# Altium PCB Copy of GameBoard_V1I1_083018.PcbDoc (part 3 of 21) (continued)
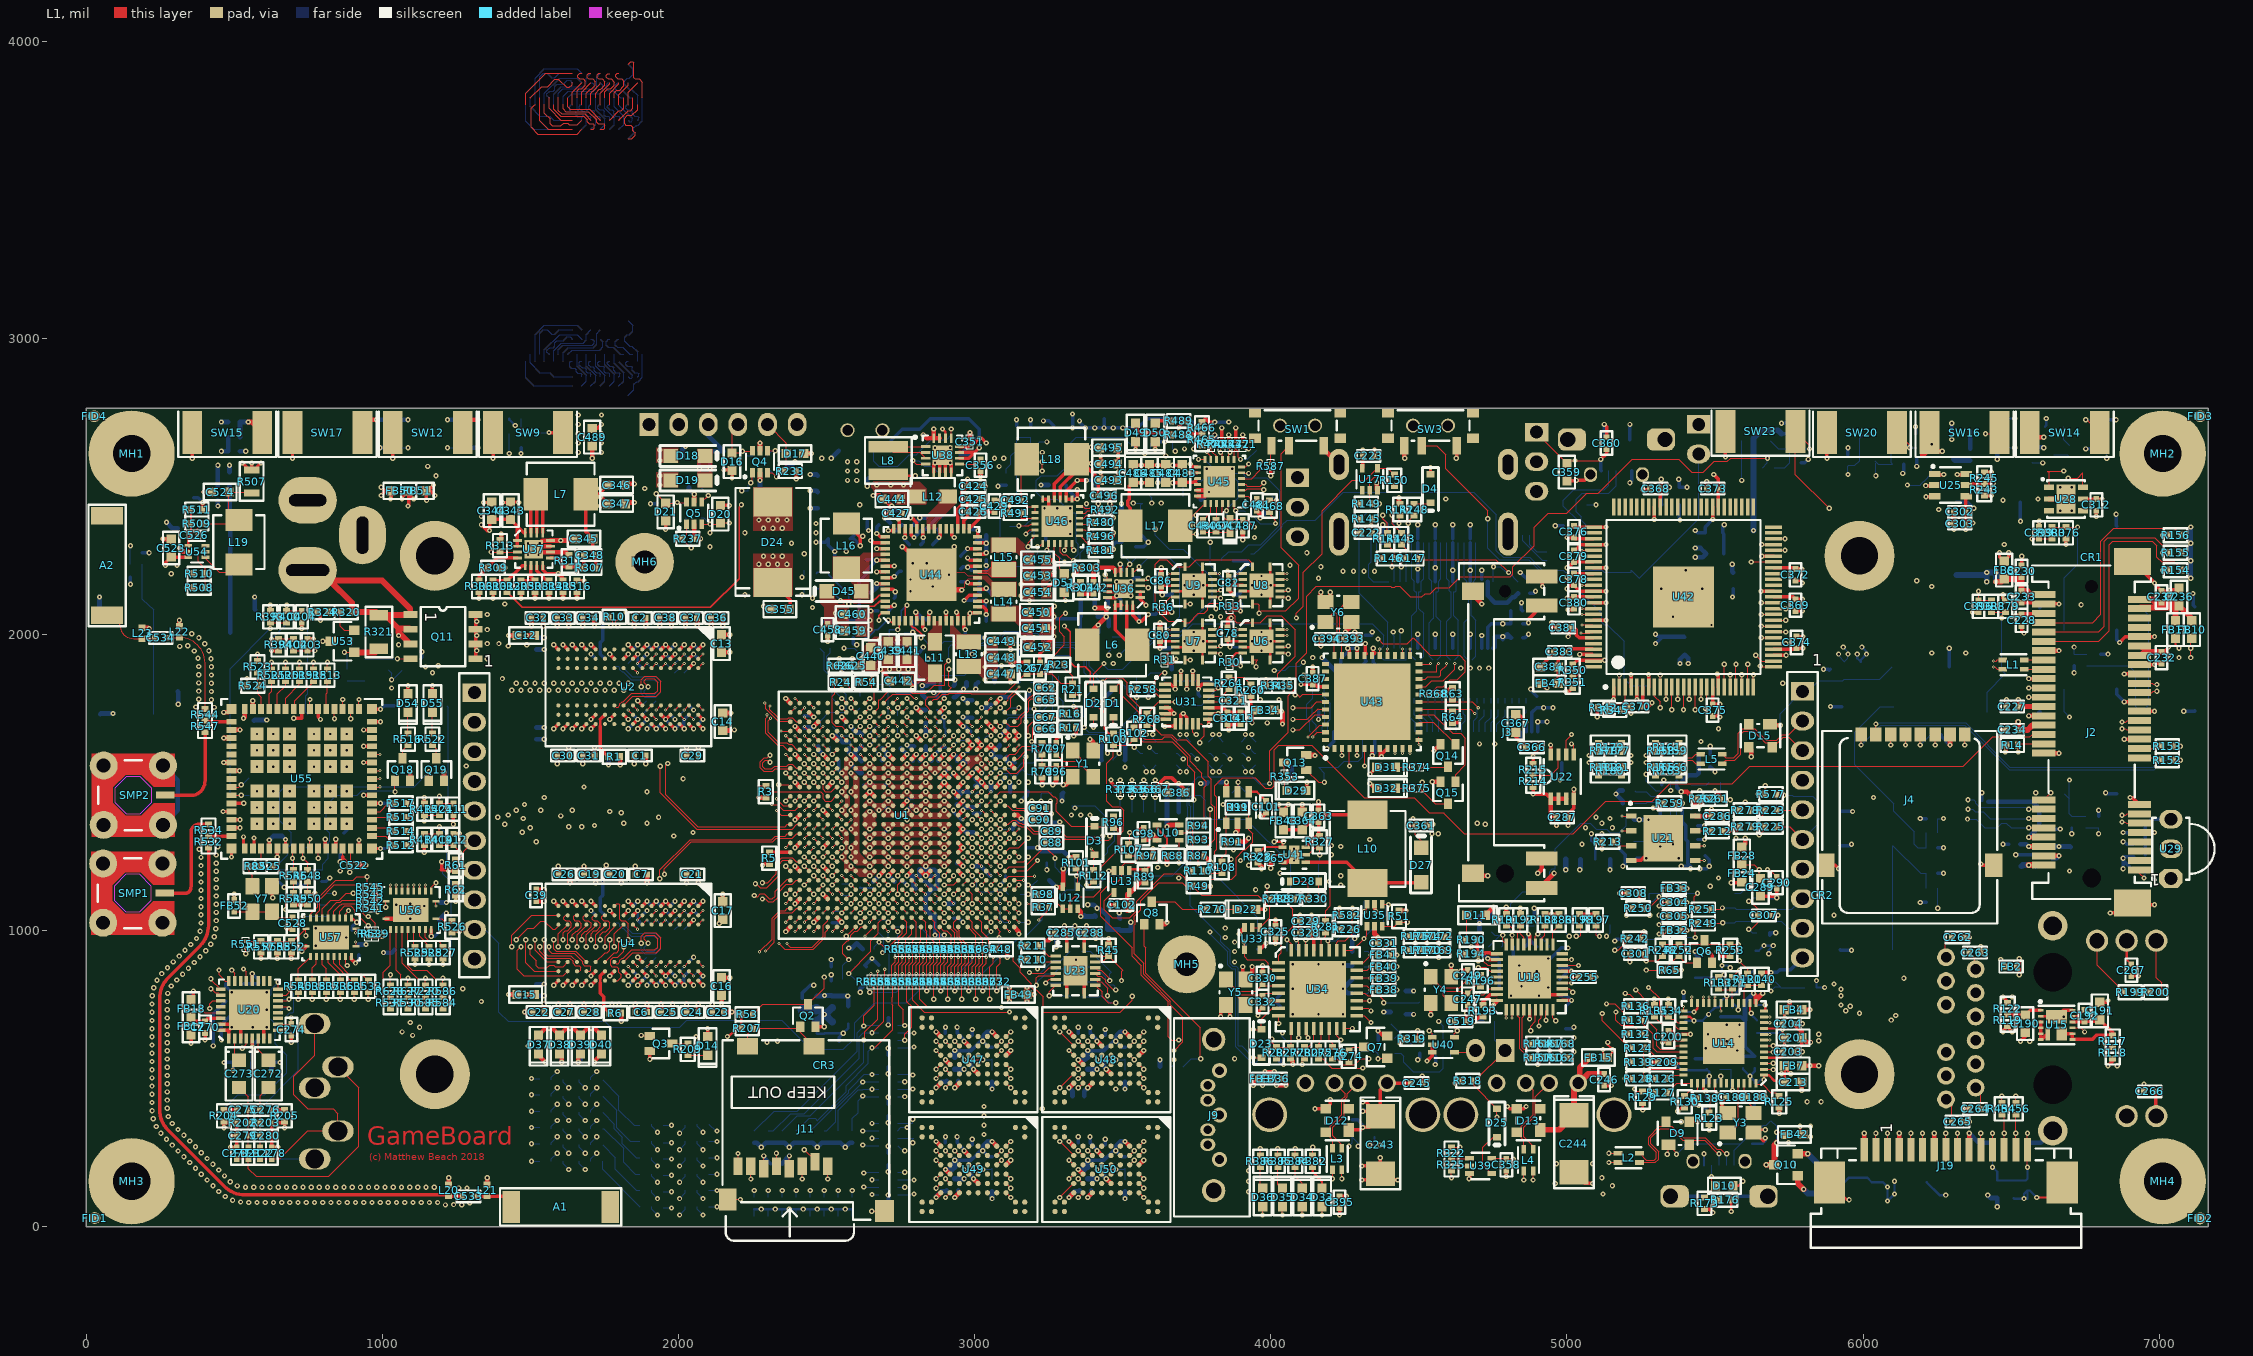
[diagram p0: L1 view]
## Components (designator, comment, footprint, x,y, rotation, side; value= is the part's Value field where it differs from the comment) (continued)
R443 "0R" R0402 3566.93,1578.74 r90 bottom
R444 "0R" R0402 3566.93,1618.11 r270 bottom
R445 "0R" R0402 3618.11,1578.74 r90 bottom
R446 "0R" R0402 3618.11,1618.11 r270 bottom
R447 "0R" R0402 3728.35,1578.74 r90 bottom
R448 "0R" R0402 3728.35,1618.11 r270 bottom
R449 "0R" R0402 3681.1,1578.74 r90 bottom
R450 "0R" R0402 3681.1,1618.11 r270 bottom
R451 "10k" R0402 6535.43,236.22 r0 bottom
R452 "10k" R0402 6456.69,236.22 r180 bottom
R453 "0R" R0402 3948.82,1578.74 r90 bottom
R454 "0R" R0402 6468.5,397.64 r270 top
R455 "0R" R0402 3948.82,1618.11 r270 bottom
R456 "0R" R0402 6515.75,397.64 r270 top
R457 "0R" R0402 3901.57,1578.74 r90 bottom
R458 "10k" R0402 6535.43,283.46 r180 bottom
R459 "10k" R0402 6456.69,283.46 r0 bottom
R460 "0R" R0402 3901.57,1618.11 r270 bottom
R461 "0R" R0402 3838.58,1578.74 r90 bottom
R462 "0R" R0402 3838.58,1618.11 r270 bottom
R463 "0R" R0402 3791.34,1578.74 r90 bottom
R464 "0R" R0402 3791.34,1618.11 r270 bottom
R465 "0R" R0402 3767.72,2657.48 r90 top
R466 "0R" R0402 3767.72,2696.85 r90 top
R467 "0R" R0402 3814.96,2366.14 r270 top
R468 "0R" R0402 3996.06,2433.07 r90 top locked
R469 "0R" R0402 3909.45,2460.63 r180 bottom
R470 "240R" R0201 3799.21,2641.73 r270 top
R471 "10k" R0201 3905.51,2641.73 r90 top
R472 "10k" R0201 3881.89,2641.73 r90 top
R473 "10k" R0201 3858.27,2641.73 r90 top
R474 "10k" R0201 3834.65,2641.73 r90 top
R475 "0mR" R2512 3582.68,2602.36 r90 bottom locked
R476 "0mR" R2512 3437.01,2602.36 r90 bottom locked
R477 "5.23k" R0402 3141.73,2602.36 r270 bottom
R478 "10k" R0402 3188.98,2602.36 r270 bottom
R479 "0R" R0402 3834.65,2637.8 r0 bottom
R480 "0R" R0402 3425.2,2377.95 r0 top
R481 "0R" R0402 3425.2,2283.46 r180 top
R482 "0R" R0402 3854.33,2248.03 r180 bottom
R483 "10k" R0402 3188.98,2685.04 r270 bottom
R484 "30.1k" R0402 3141.73,2685.04 r270 bottom
R485 "NTC 10K" R0402 3106.3,2523.62 r90 bottom
R486 "3k" R0402 3933.07,2251.97 r270 bottom
R487 "0R" R0402 3854.33,2192.91 r0 bottom
R488 "2k2" R0402 3688.98,2673.23 r0 top
R489 "2k2" R0402 3688.98,2720.47 r0 top
R490 "2k2" R0402 3688.98,2653.54 r0 bottom
R491 "0R" R0402 3137.8,2409.45 r180 top
R492 "240R" R0201 3440.94,2421.26 r180 top
R493 "0R" R0402 3188.98,2267.72 r0 bottom
R494 "10k" R0201 3268.11,2264.76 r0 bottom
R495 "10k" R0201 3610.24,2649.61 r0 bottom
R496 "0R" R0402 3425.2,2330.71 r180 top
R497 "0R" R0402 3059.05,586.61 r90 bottom
R498 "0R" R0402 3059.05,507.87 r90 bottom
R499 "6k04" R0201 3023.62,1649.61 r0 bottom
R500 "0R" R0402 3507.87,586.61 r90 bottom
R501 "0R" R0402 3507.87,507.87 r90 bottom
R502 "0R" R0402 3059.05,216.54 r90 bottom
R503 "0R" R0402 3059.05,137.8 r90 bottom
R504 "0R" R0402 3507.87,216.54 r90 bottom
R505 "0R" R0402 3507.87,137.8 r90 bottom
R506 "470k" R0402 1110.24,1917.32 r180 bottom
R507 "0R" R0805_SMALL 559.06,2515.75 r90 top
R508 "100k" R0402 381.89,2157.48 r0 top
R509 "200K" R0402 374.02,2374.02 r0 top
R510 "100k" R0402 381.89,2204.72 r0 top
R511 "100k" R0402 374.02,2421.26 r180 top
R512 "22R" R0402 1062.99,1287.4 r180 top
R513 "22R" R0402 814.96,1862.2 r90 top
R514 "22R" R0402 1062.99,1334.65 r180 top
R515 "22R" R0402 1062.99,1381.89 r180 top
R516 "240R" R0402 1086.61,1645.67 r270 top
R517 "22R" R0402 1062.99,1429.13 r180 top
R518 "22R" R0402 767.72,1862.2 r90 top
R519 "22R" R0402 720.47,1862.2 r90 top
R520 "22R" R0402 673.23,1862.2 r90 top
R521 "22R" R0402 625.98,1862.2 r90 top
R522 "240R" R0402 1169.29,1645.67 r270 top
R523 "22R" R0402 578.74,1889.76 r90 top
R524 "10k" R0402 562.99,1826.77 r180 top
R525 "0R" R0402 610.24,1216.54 r180 top
R526 "22R" R0402 1236.22,1011.81 r90 top
R527 "22R" R0402 1204.72,925.2 r90 top
R528 "22R" R0402 1157.48,925.2 r90 top
R529 "22R" R0402 1110.24,925.2 r90 top
R530 "22R" R0402 1086.61,755.91 r90 top
R531 "22R" R0402 1027.56,755.91 r90 top
R532 "0R" R0402 413.39,1299.21 r270 top
R533 "22R" R0402 952.76,811.02 r90 top
R534 "0R" R0402 413.39,1338.58 r270 top
R535 "22R" R0402 905.51,811.02 r90 top
R536 "22R" R0402 858.27,811.02 r90 top
R537 "22R" R0402 811.02,811.02 r90 top
R538 "22R" R0402 763.78,811.02 r90 top
R539 "10k" R0201 976.38,989.57 r270 top
R540 "22R" R0402 716.54,811.02 r90 top
R541 "10k" R0201 959.25,1074.8 r0 top
R542 "10k" R0201 959.25,1098.43 r0 top
R543 "10k" R0201 959.25,1122.05 r0 top
R544 "0R" R0402 401.57,1728.35 r90 top
R545 "10k" R0201 959.25,1145.67 r0 top
R546 "22R" R0402 700.79,1185.04 r90 top
R547 "0R" R0402 401.57,1688.98 r90 top
R548 "22R" R0402 748.03,1185.04 r90 top
R549 "100k" R0402 700.79,1106.3 r90 top
R550 "100k" R0402 748.03,1106.3 r90 top
R551 "33" R0201 539.37,952.76 r90 top
R552 "1k5" R0402 692.91,944.88 r90 top
R553 "100k" R0402 700.79,1185.04 r270 bottom
R554 "100k" R0402 748.03,1185.04 r270 bottom
R555 "100k" R0402 641.73,1185.04 r270 bottom
R556 "100k" R0402 795.28,1185.04 r270 bottom
R557 "1k5" R0402 590.55,944.88 r270 top
R558 "1k5" R0402 645.67,944.88 r270 top
R559 "0R" R0402 1685.04,330.71 r0 bottom
R560 "0R" R0402 1724.41,385.83 r180 bottom
R561 "0R" R0402 1685.04,385.83 r0 bottom
R562 "0R" R0402 1590.55,220.47 r180 bottom
R563 "0R" R0402 1551.18,220.47 r0 bottom
R564 "0R" R0402 1590.55,330.71 r180 bottom
R565 "0R" R0402 1551.18,330.71 r0 bottom
R566 "0R" R0402 1590.55,385.83 r180 bottom
R567 "0R" R0402 1551.18,385.83 r0 bottom
R568 "0R" R0402 1590.55,496.06 r180 bottom
R569 "0R" R0402 1551.18,496.06 r0 bottom
R570 "0R" R0402 1590.55,275.59 r180 bottom
R571 "0R" R0402 1551.18,275.59 r0 bottom
R572 "0R" R0402 1590.55,440.94 r180 bottom
R573 "0R" R0402 1551.18,440.94 r0 bottom
R576 "0R" R0402 5688.98,1460.63 r0 bottom
R577 "0R" R0402 5688.98,1460.63 r0 top
R578 "0R" R0402 2303.15,78.74 r270 bottom
R579 "0R" R0402 2350.39,78.74 r270 bottom
R580 "0R" R0402 1724.41,496.06 r180 bottom
R581 "0R" R0402 2500,1688.98 r0 bottom
R582 "100k" R0402 4255.91,1051.18 r0 top
R583 "100k" R0402 4456.69,736.22 r90 bottom
R584 "22R" R0402 1204.72,755.91 r90 top
R585 "22R" R0402 1145.67,755.91 r90 top
R586 "22R" R0402 1204.72,795.28 r270 top
R587 "10k" R0201 4000,2566.93 r270 top
R588 "0R" R0402 2397.64,78.74 r270 bottom
R589 "0R" R0402 5196.85,1826.77 r180 bottom
R590 "100k" R0201 2677.17,1614.17 r0 bottom
R591 "0R" R0402 1889.76,66.93 r0 bottom
R592 "0R" R0402 1929.13,66.93 r180 bottom
R593 "0R" R0402 1889.76,177.17 r0 bottom
R594 "0R" R0402 1929.13,177.17 r180 bottom
R595 "0R" R0402 1889.76,232.28 r0 bottom
R596 "0R" R0402 1929.13,232.28 r180 bottom
R597 "0R" R0402 1889.76,342.52 r0 bottom
R598 "0R" R0402 1929.13,342.52 r180 bottom
R599 "0R" R0402 1889.76,122.05 r0 bottom
R600 "0R" R0402 1929.13,122.05 r180 bottom
R601 "0R" R0402 1889.76,287.4 r0 bottom
R602 "0R" R0402 1929.13,287.4 r180 bottom
R603 "0R" R0402 2082.68,66.93 r180 bottom
R604 "0R" R0402 2043.31,66.93 r0 bottom
R605 "0R" R0402 2082.68,177.17 r180 bottom
R606 "0R" R0402 2043.31,177.17 r0 bottom
R607 "0R" R0402 2082.68,232.28 r180 bottom
R608 "0R" R0402 2043.31,232.28 r0 bottom
R609 "0R" R0402 2082.68,346.46 r180 bottom
R610 "0R" R0402 2043.31,346.46 r0 bottom
R611 "0R" R0402 2082.68,122.05 r180 bottom
R612 "0R" R0402 2043.31,122.05 r0 bottom
R613 "0R" R0402 2082.68,287.4 r180 bottom
R614 "0R" R0402 2043.31,287.4 r0 bottom
R615 "0R" R0402 1685.04,496.06 r0 bottom
R616 "0R" R0402 1724.41,275.59 r180 bottom
R617 "0R" R0402 1685.04,275.59 r0 bottom
R618 "0R" R0402 1724.41,440.95 r180 bottom
R619 "0R" R0402 1685.04,440.95 r0 bottom
R620 "0R" R0402 2700.79,1917.32 r180 bottom
R621 "0R" R0402 2661.42,1917.32 r0 bottom
R622 "0R" R0402 2811.02,1917.32 r90 bottom
R623 "0R" R0402 814.96,1066.93 r90 bottom
R624 "0R" R0402 814.96,1106.3 r270 bottom
R625 "100k" R0402 2586.61,1893.7 r0 top
R626 "0R" R0402 2547.24,1893.7 r180 top
R627 "22R" R0402 1086.61,795.28 r270 top
R628 "22R" R0402 1027.56,795.28 r270 top
R629 "0R" R0402 2492.13,78.74 r270 bottom
R630 "0R" R0402 2539.37,78.74 r270 bottom
R631 "0R" R0402 2444.88,78.74 r270 bottom
R632 "0R" R0402 2586.61,78.74 r270 bottom
R633 "0R" R0402 2444.88,303.15 r270 bottom
R634 "0R" R0402 2539.37,303.15 r270 bottom
R635 "0R" R0402 2350.39,303.15 r270 bottom
R636 "0R" R0402 2303.15,303.15 r270 bottom
R637 "0R" R0402 2255.91,78.74 r270 bottom
R638 "0R" R0402 2586.61,303.15 r270 bottom
R639 "0R" R0402 2397.64,303.15 r270 bottom
R640 "0R" R0402 2255.91,303.15 r270 bottom
R641 "0R" R0402 2492.13,303.15 r270 bottom
R642 "4k99" R0201 2767.72,826.77 r270 top
R643 "4k99" R0201 2909.45,937.01 r270 top
R644 "4k99" R0201 2838.58,826.77 r270 top
R645 "4k99" R0201 2885.83,937.01 r270 top
R646 "4k99" R0201 2885.83,826.77 r270 top
R647 "4k99" R0201 2862.2,826.77 r270 top
R648 "4k99" R0201 2862.2,937.01 r270 top
R649 "4k99" R0201 2814.96,937.01 r270 top
R650 "4k99" R0201 2838.58,937.01 r270 top
R651 "4k99" R0201 2673.23,826.77 r270 top
R652 "4k99" R0201 2696.85,826.77 r270 top
R653 "4k99" R0201 2744.09,826.77 r270 top
R654 "4k99" R0201 2791.34,937.01 r270 top
R655 "4k99" R0201 2720.47,826.77 r270 top
R656 "4k99" R0201 2649.61,826.77 r270 top
R657 "4k99" R0201 2744.09,937.01 r270 top
R658 "4k99" R0201 2933.07,937.01 r270 top
R659 "4k99" R0201 2980.32,937.01 r270 top
R660 "4k99" R0201 3003.94,826.77 r270 top
R661 "4k99" R0201 2956.69,937.01 r270 top
R662 "4k99" R0201 3027.56,826.77 r270 top
R663 "4k99" R0201 2956.69,826.77 r270 top
R664 "4k99" R0201 3027.56,937.01 r270 top
R665 "4k99" R0201 2909.45,826.77 r270 top
R666 "4k99" R0201 3003.94,937.01 r270 top
R667 "4k99" R0201 2767.72,937.01 r270 top
R668 "4k99" R0201 2980.32,826.77 r270 top
R669 "4k99" R0201 2814.96,826.77 r270 top
R670 "4k99" R0201 2933.07,826.77 r270 top
R671 "4k99" R0201 2791.34,826.77 r270 top
R672 "4k99" R0201 3074.8,826.77 r270 top
R673 "4k99" R0201 3051.18,826.77 r270 top
R674 "0R" R0402 2614.17,1771.65 r90 bottom
RN1 "EXB-D10C103J" EXB-D10C103J 2708.66,476.38 r0 bottom
RN2 "EXB-D10C103J" EXB-D10C103J 2708.66,641.73 r0 bottom
RN3 "EXB-D10C103J" EXB-D10C103J 2708.66,145.67 r0 bottom
RN4 "EXB-D10C103J" EXB-D10C103J 2708.66,311.02 r0 bottom
SMP1 "Coax Conn" SMP-F 157.48,1125.98 r90 top
SMP2 "Coax Conn" SMP-F 159.45,1456.69 r90 top
SW1 "SSSS811101" SSSS811101 4090.55,2704.72 r180 top
SW2 "SSSS811101" SSSS811101 2629.92,2688.98 r0 bottom
SW3 "SSSS811101" SSSS811101 4539.37,2704.72 r180 top
SW4 "TL3301SPF160QG" TACT_SMD_PLUNGER 6767.72,2188.98 r90 bottom
SW5 "TL3301SPF160QG" TACT_SMD_PLUNGER 6767.72,1637.8 r90 bottom
SW6 "TL3301SPF160QG" TACT_SMD_PLUNGER 7031.5,1917.32 r90 bottom
SW7 "TL3301SPF160QG" TACT_SMD_PLUNGER 6507.87,1913.39 r90 bottom
SW8 "TL3301SPF160QG" TACT_SMD_PLUNGER 397.64,2182.09 r270 bottom locked
SW9 "KSS331GLFS" TACT_SMD_RA 1492.13,2681.1 r0 top
SW10 "TL3301SPF160QG" TACT_SMD_PLUNGER 397.64,1630.91 r270 bottom locked
SW11 "TL3301SPF160QG" TACT_SMD_PLUNGER 659.45,1906.5 r270 bottom locked
SW12 "KSS331GLFS" TACT_SMD_RA 1153.54,2681.1 r0 top locked
SW13 "TL3301SPF160QG" TACT_SMD_PLUNGER 135.83,1906.5 r270 bottom locked
SW14 "KSS331GLFS" TACT_SMD_RA 6681.1,2681.1 r0 top
SW15 "KSS331GLFS" TACT_SMD_RA 476.38,2681.1 r0 top
SW16 "KSS331GLFS" TACT_SMD_RA 6342.52,2681.1 r0 top
SW17 "KSS331GLFS" TACT_SMD_RA 814.96,2681.1 r0 top locked
SW18 "TL3301SPF160QG" TACT_SMD_PLUNGER 1129.92,1110.24 r270 bottom locked
SW19 "TL3301SPF160QG" TACT_SMD_PLUNGER 1129.92,1582.68 r270 bottom
SW20 "KSS331GLFS" TACT_SMD_RA 5996.06,2681.1 r0 top
SW21 "TL3301SPF160QG" TACT_SMD_PLUNGER 6011.81,1110.24 r270 bottom
SW22 "TL3301SPF160QG" TACT_SMD_PLUNGER 6015.75,1578.74 r270 bottom locked
SW23 "KSS331GLFS" TACT_SMD_RA 5653.54,2685.04 r0 top
TP1 "TP_25MILC" TP_25C 3145.67,1590.55 r90 bottom
TP2 "TP_25MILC" TP_25C 4314.96,1098.43 r90 bottom
TP3 "TP_25MILC" TP_25C 3228.35,1464.57 r90 bottom
TP4 "TP_25MILC" TP_25C 3220.47,1834.65 r90 bottom
TP5 "TP_25MILC" TP_25C 3322.83,1929.13 r90 bottom
TP6 "TP_25MILC" TP_25C 3220.47,1885.83 r90 bottom
TP7 "TP_25MILC" TP_25C 3283.46,1858.27 r90 bottom
TP8 "TP_25MILC" TP_25C 3330.71,1858.27 r90 bottom
TP9 "TP_25MILC" TP_25C 6846.46,598.43 r180 bottom
TP10 "TP_25MILC" TP_25C 5342.52,437.01 r90 bottom
TP11 "TP_25MILC" TP_25C 5688.98,358.27 r90 bottom
TP12 "TP_25MILC" TP_25C 648.03,761.81 r90 bottom
TP13 "TP_25MILC" TP_25C 648.03,722.44 r90 bottom
TP14 "TP_25MILC" TP_25C 3283.46,870.08 r180 bottom
TP15 "TP_25MILC" TP_25C 3401.57,826.77 r180 bottom
TP16 "TP_25MILC" TP_25C 3255.91,889.76 r180 bottom
TP17 "TP_25MILC" TP_25C 3283.46,775.59 r180 bottom
TP18 "TP_25MILC" TP_25C 3866.14,1210.33 r0 bottom
TP19 "TP_25MILC" TP_25C 4051.18,929.13 r90 bottom
TP20 "TP_25MILC" TP_25C 4094.49,929.13 r90 bottom
TP21 "TP_25MILC" TP_25C 1700.79,2464.57 r270 bottom
TP22 "TP_25MILC" TP_25C 2318.9,2200.79 r270 bottom
TP23 "TP_25MILC" TP_25C 2874.02,2548.23 r270 bottom
TP24 "TP_25MILC" TP_25C 1066.93,1877.95 r90 bottom
TP25 "TP_25MILC" TP_25C 4000,2480.31 r90 bottom
TP26 "TP_25MILC" TP_25C 362.2,2460.63 r90 bottom
TP27 "TP_25MILC" TP_25C 3015.75,2173.23 r270 bottom
TP28 "TP_25MILC" TP_25C 354.33,767.72 r270 bottom
TP29 "TP_25MILC" TP_25C 3527.56,1000 r270 bottom
TP30 "TP_25MILC" TP_25C 2889.76,2397.64 r270 bottom
TP31 "TP_25MILC" TP_25C 3905.51,1291.34 r270 bottom
TP32 "TP_25MILC" TP_25C 2746.68,1850.39 r270 bottom
TP33 "TP_25MILC" TP_25C 2543.31,625.98 r90 bottom
TP34 "TP_25MILC" TP_25C 3452.76,2027.56 r270 bottom
TP35 "TP_25MILC" TP_25C 3070.87,2137.8 r270 bottom
TP36 "TP_25MILC" TP_25C 3039.37,2334.65 r270 bottom
TP37 "TP_25MILC" TP_25C 2496.06,2043.31 r180 bottom
TP38 "TP_25MILC" TP_25C 2633.86,2251.97 r270 bottom
TP39 "TP_25MILC" TP_25C 3803.15,2114.17 r270 bottom
TP40 "TP_25MILC" TP_25C 2507.87,2208.66 r90 bottom
TP41 "TP_25MILC" TP_25C 2507.87,2153.54 r90 bottom
TP42 "TP_25MILC" TP_25C 2476.38,1952.76 r90 bottom
TP43 "TP_25MILC" TP_25C 2511.81,1952.76 r90 bottom
TP44 "TP_25MILC" TP_25C 3704.72,2464.57 r270 bottom
TP45 "TP_25MILC" TP_25C 3645.67,2539.37 r270 bottom
TP46 "TP_25MILC" TP_25C 3913.39,2413.39 r270 bottom
TP47 "TP_25MILC" TP_25C 3688.98,2728.35 r270 bottom
TP48 "TP_25MILC" TP_25C 3952.76,2622.05 r270 bottom
TP49 "TP_25MILC" TP_25C 3893.7,2637.8 r270 bottom
TP50 "TP_25MILC" TP_25C 3429.13,2401.57 r270 bottom
TP51 "TP_25MILC" TP_25C 3421.26,2574.8 r270 bottom
TP52 "TP_25MILC" TP_25C 4389.76,1051.18 r90 bottom
TP53 "TP_25MILC" TP_25C 4275.59,1051.18 r90 bottom
TP54 "TP_25MILC" TP_25C 4503.26,759.84 r90 bottom
TP55 "TP_25MILC" TP_25C 4228.35,972.44 r90 bottom
TP56 "TP_25MILC" TP_25C 4062.99,1892.72 r90 bottom
TP57 "TP_25MILC" TP_25C 551.18,1456.69 r90 bottom
TP58 "TP_25MILC" TP_25C 551.18,1515.75 r90 bottom
TP59 "TP_25MILC" TP_25C 783.46,1279.53 r90 bottom
TP60 "TP_25MILC" TP_25C 744.09,1279.53 r90 bottom
U1 "MCIMX6Q5EYM10AC_v.ORX" PBGA624 2755.91,1389.76 r270 top locked
U2 "MT41J128M16JT-125:KTR" 96_FPGA_DD3_14MMX10MM-SMALL_SIZE 1830.71,1822.83 r270 top locked
U3 "MT41J128M16JT-125:KTR" 96_FPGA_DD3_14MMX10MM-SMALL_SIZE 1830.71,1822.83 r90 bottom locked
U4 "MT41J128M16JT-125:KTR" 96_FPGA_DD3_14MMX10MM-SMALL_SIZE 1830.71,956.69 r270 top locked
U5 "MT41J128M16JT-125:KTR" 96_FPGA_DD3_14MMX10MM-SMALL_SIZE 1830.71,956.69 r90 bottom locked
U6 "HD3SS3411IRWAR" QFN50P330X330X80_HS-15N 3968.5,1976.38 r0 top locked
U7 "HD3SS3411IRWAR" QFN50P330X330X80_HS-15N 3740.16,1976.38 r0 top locked
U8 "HD3SS3411IRWAR" QFN50P330X330X80_HS-15N 3968.5,2165.35 r0 top locked
U9 "HD3SS3411IRWAR" QFN50P330X330X80_HS-15N 3740.16,2165.35 r0 top locked
U10 "SN74AHC1G09DCKR" SC70_5 3653.54,1330.71 r180 top
U11 "TPS3808G09DBVRG4" DBV_SOT_23_6 3887.8,1415.35 r90 top locked value=TPS3808G09DBVR
U12 "SN74LVC1G08DCKR" SC70_5 3322.83,1110.24 r90 top
U13 "SN74AHC1G09DCKR" SC70_5 3496.06,1165.35 r270 top
U14 "KSZ9031RNXIA" QFN48_SMALL_EP_7MMX7MM 5529.53,619.68 r180 top
U15 "MIC33050-4YHL TR" MLF_3X3_12PINS 6653.54,681.1 r0 top
U16 "CM2020-00TR" TSSOP_38 4574.8,2064.96 r90 bottom locked
U17 "SN74LVC1G17DCKR" SC70_5 4334.65,2523.62 r90 top
U18 "USB2514BI-AEZG" QFN36_6MMX6MM 4874.02,842.52 r90 top
U19 "MIC2026-1YM TR" 8_SOIC_3.9MM 5070.87,1129.92 r90 bottom
U20 "SGTL5000XNAA3R2" "QFN32 5X5X0.85_V1.1" 551.18,732.28 r90 top
U21 "SST26VF032B-104I/MF" WSON8_6X5MM 5324.8,1311.22 r0 top locked
U22 "BR24L02FVM-WTR" "MSOP8 _SMALLER" 4984.25,1519.69 r90 top
U23 "SN74AVC4T245RGYR" "RGY (R-PVQFN-N16)" 3340.55,864.17 r270 top
U24 "SN74LVC1G08DCKR" SC70_5 5228.35,944.88 r0 bottom
U25 "TMP101NA" SOT23-6_DBV6 6295.28,2503.94 r0 top
U26 "TJA1040T" 8_SOIC_3.9MM 5456.69,1051.18 r0 bottom
U27 "SN74LVC1G08DCKR" SC70_5 5240.16,1098.43 r180 bottom
U28 "SHT21" 6_DFN_3MMX3MM 6685.04,2456.69 r0 top
U29 "TSOP38238" TSOP382 7039.37,1175.59 r180 top
U30 "FXOS8700CQR1" QFN16_3X3MM 5370.08,1452.76 r0 bottom
U31 "FXAS21002CQR1" QFN24_4X4MM 3716.54,1771.65 r0 top
U32 "SN74LVC1G14DCKR" SC70_5 5200.79,1338.58 r270 bottom
U33 "SN74AHC1G09DCKR" SC70_5 3937.01,972.44 r270 top
U34 "LPC1345FHN33,551-ND" HVQFN33_7X7MM 4158.46,801.18 r0 top locked
U35 "TS5A3157DCKR" SC70_6 4350.39,1051.18 r270 top
U36 "ISL8024AIRTAJZ-T7A" 16-TQFN_3MMX3MM_V1.1 3503.94,2153.54 r180 top locked
U37 "ISL8024AIRTAJZ-T7A" 16-TQFN_3MMX3MM_V1.1 1511.81,2287.4 r0 top locked
U38 "TPS62133RGTR" QFN16_3MMX3MM 2891.73,2604.33 r0 top locked
U39 "M74VHC1GT126DF1G" SC70_5 4708.66,204.72 r0 top
U40 "M74VHC1GT126DF1G" SC70_5 4582.68,614.17 r0 top
U41 "TPS61165DRVR" SON65P200X80_HS-7N 4078.74,1255.91 r0 top
U42 "TFP401AIPZPRQ1" TSQFP50P1600X1600X120_HS-101N 5393.7,2125.98 r90 top locked
U43 "PIC18F4550-I/ML" QFN44_8MMX8MM 4342.52,1771.65 r90 top
U44 "MMPF0100NPAEP" "56-VFQFN EP" 2854.33,2200.79 r90 top locked
U45 "BQ25890RTWR" RTW0024H 3826.77,2515.75 r180 top locked
U46 "BQ25892RTWR" RTW0024H 3279.53,2381.89 r90 top locked
U47 "MX30LF4G18AC-XKI" BGA63_9X11MM_FLASH 2996.06,562.99 r270 top locked
U48 "MX30LF4G18AC-XKI" BGA63_9X11MM_FLASH 3444.88,562.99 r270 top locked
U49 "MX30LF4G18AC-XKI" BGA63_9X11MM_FLASH 2996.06,192.91 r270 top locked
U50 "MX30LF4G18AC-XKI" BGA63_9X11MM_FLASH 3444.88,192.91 r270 top locked
U51 "SN74AHC1G09DCKR" SC70_5 4582.68,610.24 r90 bottom
U52 "74AHCT1G04SE-7" SOT353 4460.63,610.24 r180 bottom
U53 "TL431AQDBZR" SOT-23-3-123 866.14,1976.38 r180 top
U54 "TLV62568DRLR" DRL0006A 374.02,2279.53 r0 top
U55 "WL1837MODGIMOCR" MOC0100A 728.35,1511.81 r270 top locked value=Value
U56 "TXS0108ERGYR" RGY0020A 1096.46,1068.9 r270 top locked
U57 "TXS0108ERGYR" RGY0020A 826.77,976.38 r270 top locked
Y1 "24MHz" ABM8 3366.14,1562.99 r270 top
Y2 "32.768kHz" ABS06 3216.54,1555.12 r270 bottom
Y3 "25.000MHz" ABM8G 5586.61,350.39 r0 top
Y4 "24MHz" ABM8 4574.8,799.21 r270 top
Y5 "7M-12.000MAHE-T" 7M 3881.89,791.34 r270 top
Y6 "7M-20.000MAAJ-T" 7M 4228.35,2074.8 r0 top locked
Y7 "7XZ3270026" TXC_7XZ 594.49,1106.3 r180 top

## Footprints (in the part's own frame and the unit in brackets; to place one, negate y for a bottom-side part, rotate by r counter-clockwise, add the part's x,y. Pads: shape width x height; smd on the part's side, far side on the other; paste and mask are expansions set on the pad)
6_DFN_3MMX3MM [mm]
  rect 0.85x0.45 smd mask+0.045: 1(-1.45,1) 2(-1.45,0) 3(-1.45,-1) 4(1.45,-1) 5(1.45,0) 6(1.45,1)
  rect 1.6x2.5 smd mask+0.045: 7(0,0)
  silkscreen extent -2.05,-1.6 1.6,1.75, body extent -1.51,-1.5 1.51,1.5, height 1.13
7M [mm]
  rect 1.4x1.2 smd mask+0.1: 1(-1.1,-0.85) 2(1.1,-0.85) 3(1.1,0.85) 4(-1.1,0.85)
  silkscreen extent -2.35,-1.4 0.1,1.4, body extent -1.65,-1.3 1.65,1.3, height 0.8
8_SOIC_3.9MM [mm]
  rect 1.2x0.58 smd: 1(-2.8,1.905) 2(-2.8,0.635) 3(-2.8,-0.635) 4(-2.8,-1.905) 5(2.8,-1.905) 6(2.8,-0.635) 7(2.8,0.635) 8(2.8,1.905)
  silkscreen extent -1.91,-2.54 1.91,2.54, body extent -3,-2.45 3,2.45, height 1.75
16-TQFN_3MMX3MM_V1.1 [mm]
  rect 0.78x0.23 smd mask+0.03: 1(-1.41,0.75) 2(-1.41,0.25) 3(-1.41,-0.25) 4(-1.41,-0.75) 9(1.41,-0.75) 10(1.41,-0.25) 11(1.41,0.25) 12(1.41,0.75)
  rect 0.23x0.78 smd mask+0.03: 5(-0.75,-1.41) 6(-0.25,-1.41) 7(0.25,-1.41) 8(0.75,-1.41) 13(0.75,1.41) 14(0.25,1.41) 15(-0.25,1.41) 16(-0.75,1.41)
  rect 1.6x1.6 smd mask+0.03: 17(0,0)
  silkscreen extent -1.6,-1.6 1.6,1.6, body extent -1.5,-1.5 1.5,1.5, height 0.9
"56-VFQFN EP" [mm]
  rect 0.8x0.3 smd mask+0.03: 1(-3.95,3.25) 2(-3.95,2.75) 3(-3.95,2.25) 4(-3.95,1.75) 5(-3.95,1.25) 6(-3.95,0.75) 7(-3.95,0.25) 8(-3.95,-0.25) 9(-3.95,-0.75) 10(-3.95,-1.25) 11(-3.95,-1.75) 12(-3.95,-2.25) 13(-3.95,-2.75) 14(-3.95,-3.25) 29(3.95,-3.25) 30(3.95,-2.75) 31(3.95,-2.25) 32(3.95,-1.75) 33(3.95,-1.25) 34(3.95,-0.75) 35(3.95,-0.25) 36(3.95,0.25) 37(3.95,0.75) 38(3.95,1.25) 39(3.95,1.75) 40(3.95,2.25) 41(3.95,2.75) 42(3.95,3.25)
  rect 0.3x0.8 smd mask+0.03: 15(-3.25,-3.95) 16(-2.75,-3.95) 17(-2.25,-3.95) 18(-1.75,-3.95) 19(-1.25,-3.95) 20(-0.75,-3.95) 21(-0.25,-3.95) 22(0.25,-3.95) 23(0.75,-3.95) 24(1.25,-3.95) 25(1.75,-3.95) 26(2.25,-3.95) 27(2.75,-3.95) 28(3.25,-3.95) 43(3.25,3.95) 44(2.75,3.95) 45(2.25,3.95) 46(1.75,3.95) 47(1.25,3.95) 48(0.75,3.95) 49(0.25,3.95) 50(-0.25,3.95) 51(-0.75,3.95) 52(-1.25,3.95) 53(-1.75,3.95) 54(-2.25,3.95) 55(-2.75,3.95) 56(-3.25,3.95)
  rect 4.5x4.3 smd paste-10 mask+0.03: 57(0,0)
  silkscreen extent -4.1,-4.1 4.1,4.1, body extent -4,-4 4,4, height 0.9
96_FPGA_DD3_14MMX10MM-SMALL_SIZE [mm]
  round 0.35 smd mask+0.05: A1(-3.2,6) A2(-2.4,6) A3(-1.6,6) A7(1.6,6) A8(2.4,6) A9(3.2,6) B1(-3.2,5.2) B2(-2.4,5.2) B3(-1.6,5.2) B7(1.6,5.2) B8(2.4,5.2) B9(3.2,5.2) C1(-3.2,4.4) C2(-2.4,4.4) C3(-1.6,4.4) C7(1.6,4.4) C8(2.4,4.4) C9(3.2,4.4) D1(-3.2,3.6) D2(-2.4,3.6) D3(-1.6,3.6) D7(1.6,3.6) D8(2.4,3.6) D9(3.2,3.6) E1(-3.2,2.8) E2(-2.4,2.8) E3(-1.6,2.8) E7(1.6,2.8) E8(2.4,2.8) E9(3.2,2.8) F1(-3.2,2) F2(-2.4,2) F3(-1.6,2) F7(1.6,2) F8(2.4,2) F9(3.2,2) G1(-3.2,1.2) G2(-2.4,1.2) G3(-1.6,1.2) G7(1.6,1.2) G8(2.4,1.2) G9(3.2,1.2) H1(-3.2,0.4) H2(-2.4,0.4) H3(-1.6,0.4) H7(1.6,0.4) H8(2.4,0.4) H9(3.2,0.4) J1(-3.2,-0.4) J2(-2.4,-0.4) J3(-1.6,-0.4) J7(1.6,-0.4) J8(2.4,-0.4) J9(3.2,-0.4) K1(-3.2,-1.2) K2(-2.4,-1.2) K3(-1.6,-1.2) K7(1.6,-1.2) K8(2.4,-1.2) K9(3.2,-1.2) L1(-3.2,-2) L2(-2.4,-2) L3(-1.6,-2) L7(1.6,-2) L8(2.4,-2) L9(3.2,-2) M1(-3.2,-2.8) M2(-2.4,-2.8) M3(-1.6,-2.8) M7(1.6,-2.8) M8(2.4,-2.8) M9(3.2,-2.8) N1(-3.2,-3.6) N2(-2.4,-3.6) N3(-1.6,-3.6) N7(1.6,-3.6) N8(2.4,-3.6) N9(3.2,-3.6) P1(-3.2,-4.4) P2(-2.4,-4.4) P3(-1.6,-4.4) P7(1.6,-4.4) P8(2.4,-4.4) P9(3.2,-4.4) R1(-3.2,-5.2) R2(-2.4,-5.2) R3(-1.6,-5.2) R7(1.6,-5.2) R8(2.4,-5.2) R9(3.2,-5.2) T1(-3.2,-6) T2(-2.4,-6) T3(-1.6,-6) T7(1.6,-6) T8(2.4,-6) T9(3.2,-6)
  silkscreen extent -5.1,-7.1 5.1,7.1, body extent -5,-7 5,7, height 1.2
522710479 [mm] "CONN FPC BOTTOM 6POS 1.00MM R/A"
  rect 0.6x1.9 smd mask+0.06: 1(-2.5,3.55) 2(-1.5,3.55) 3(-0.5,3.55) 4(0.5,3.55) 5(1.5,3.55) 6(2.5,3.55)
  rect 2.1x2.8 smd mask+0.06: ""(-5.4,1.2) ""(5.4,1.2)
  silkscreen extent -6.5,-4.5 6.5,4.7, body extent -6.5,-4.5 6.5,4.2, height 3
0541324062 [mm] "CONN FFC BOTTOM 40POS 0.50MM R/A"
  rect 0.3x1.1 smd mask+0.025: 1(-9.75,1.5) 2(-9.25,1.5) 3(-8.75,1.5) 4(-8.25,1.5) 5(-7.75,1.5) 6(-7.25,1.5) 7(-6.75,1.5) 8(-6.25,1.5) 9(-5.75,1.5) 10(-5.25,1.5) 11(-4.75,1.5) 12(-4.25,1.5) 13(-3.75,1.5) 14(-3.25,1.5) 15(-2.75,1.5) 16(-2.25,1.5) 17(-1.75,1.5) 18(-1.25,1.5) 19(-0.75,1.5) 20(-0.25,1.5) 21(0.25,1.5) 22(0.75,1.5) 23(1.25,1.5) 24(1.75,1.5) 25(2.25,1.5) 26(2.75,1.5) 27(3.25,1.5) 28(3.75,1.5) 29(4.25,1.5) 30(4.75,1.5) 31(5.25,1.5) 32(5.75,1.5) 33(6.25,1.5) 34(6.75,1.5) 35(7.25,1.5) 36(7.75,1.5) 37(8.25,1.5) 38(8.75,1.5) 39(9.25,1.5) 40(9.75,1.5)
  rect 2.4x2.4 smd mask+0.076: 41(-11.8,-1.15) 42(11.8,-1.15)
  silkscreen extent -13.3,-7.75 13.3,0.57, body extent -12.75,-5.4 12.75,1.75, height 2
693071010811 [mm]
  rect 0.8x1.5 smd mask+0.09: 1(-1.815,3.225) 2(-0.715,2.825) 3(0.385,3.225) 4(1.485,3.425) 5(2.585,3.225) 6(3.685,3.425) 7(4.785,3.225) 8(5.885,3.225)
  rect 1.8x1.4 smd: 9(-0.625,-7.075) 10(5.075,-7.075)
  rect 1.5x1.9 smd: 11(6.775,6.075)
  rect 1.6x1.9 smd: 12(-6.675,7.075)
  silkscreen extent -7.07,-7.57 7.22,9.6, body extent -6.87,-7.46 7.13,7.75, height 1.83
ABM8 [mm]
  rect 1.35x1.15 smd mask+0.1: 1(-1.125,-0.875) 2(1.125,-0.875) 3(1.125,0.875) 4(-1.125,0.875)
  silkscreen extent -2.35,-1.4 0.1,1.4, body extent -1.6,-1.25 1.6,1.25, height 0.76
ABM8G [mm]
  rect 1.4x1.2 smd mask+0.1: 1(-1.1,-0.85) 2(1.1,-0.85) 3(1.1,0.85) 4(-1.1,0.85)
  silkscreen extent -1.9,-1.9 0.1,1.4, body extent -1.6,-1.25 1.6,1.25, height 1.02
ABS06 [mm]
  rect 0.75x1.4 smd: 1(-0.725,0) 2(0.725,0)
  silkscreen extent -1.4,-1 1.4,1, body extent -1,-0.62 1,0.6, height 0.61
ACM2012 [mm]
  rect 0.75x0.4 smd mask+0.076: 1(-0.925,0.4) 2(-0.925,-0.4) 3(0.925,-0.4) 4(0.925,0.4)
  silkscreen extent -1.1,-0.9 1.1,0.9, body extent -1.2,-0.7 1.2,0.7, height 1.3
BGA63_9X11MM_FLASH [mm] "MX30LF4G18AC-XKI"
  round 0.45 smd: A1(-3.6,4.4) A2(-2.8,4.4) A9(2.8,4.4) A10(3.6,4.4) B1(-3.6,3.6) B9(2.8,3.6) B10(3.6,3.6) C3(-2,2.8) C4(-1.2,2.8) C5(-0.4,2.8) C6(0.4,2.8) C7(1.2,2.8) C8(2,2.8) D3(-2,2) D4(-1.2,2) D5(-0.4,2) D6(0.4,2) D7(1.2,2) D8(2,2) E3(-2,1.2) E4(-1.2,1.2) E5(-0.4,1.2) E6(0.4,1.2) E7(1.2,1.2) E8(2,1.2) F3(-2,0.4) F4(-1.2,0.4) F5(-0.4,0.4) F6(0.4,0.4) F7(1.2,0.4) F8(2,0.4) G3(-2,-0.4) G4(-1.2,-0.4) G5(-0.4,-0.4) G6(0.4,-0.4) G7(1.2,-0.4) G8(2,-0.4) H3(-2,-1.2) H4(-1.2,-1.2) H5(-0.4,-1.2) H6(0.4,-1.2) H7(1.2,-1.2) H8(2,-1.2) J3(-2,-2) J4(-1.2,-2) J5(-0.4,-2) J6(0.4,-2) J7(1.2,-2) J8(2,-2) K3(-2,-2.8) K4(-1.2,-2.8) K5(-0.4,-2.8) K6(0.4,-2.8) K7(1.2,-2.8) K8(2,-2.8) L1(-3.6,-3.6) L2(-2.8,-3.6) L9(2.8,-3.6) L10(3.6,-3.6) M1(-3.6,-4.4) M2(-2.8,-4.4) M9(2.8,-4.4) M10(3.6,-4.4)
  silkscreen extent -4.5,-5.5 4.5,5.5, body extent -4.5,-5.5 4.5,5.5, height 1
C0201 [mm]
  rect 0.3x0.3 smd mask+0.04: 1(-0.265,0) 2(0.265,0)
  silkscreen extent -0.6,-0.3 0.6,0.3, body extent -0.3,-0.15 0.3,0.15, height 0.3
C0402 [mm]
  rect 0.5x0.5 smd: 1(-0.5,0) 2(0.5,0)
  silkscreen extent -1,-0.5 1,0.5, body extent -0.5,-0.25 0.5,0.25, height 0.56
C0603 [mm]
  rect 0.8x0.8 smd: 1(-0.75,0) 2(0.75,0)
  silkscreen extent -1.4,-0.7 1.4,0.7, body extent -0.8,-0.42 0.8,0.44, height 0.95
C0603_SMALL [mm]
  rect 0.7x0.8 smd: 1(-0.65,0) 2(0.65,0)
  silkscreen extent -1.3,-0.7 1.3,0.7, body extent -0.8,-0.42 0.8,0.44, height 0.95
C0805 [mm]
  rect 0.9x1.3 smd: 1(-0.95,0) 2(0.95,0)
  silkscreen extent -1.78,-1.02 1.78,1.02, body extent -1,-0.6 1,0.6, height 1.5
"C1206 -  TLN S CASE TANTAL" [mm]
  rect 1.15x1.2 smd: 1(-1.175,0) 2(1.175,0)
  silkscreen extent -2.29,-1.14 2.29,1.14, body extent -1.6,-0.8 1.6,0.8, height 1.21
C2312 [mm]
  rect 2.1x2.5 smd mask+0.09: 1(-2.45,0) 2(2.45,0)
  silkscreen extent -4.07,-1.7 3.8,1.7, body extent -3.09,-1.61 3.09,1.6, height 2.7
C2917 [mm]
  rect 2.37x2.43 smd: 1(-3.12,0) 2(3.12,0)
  silkscreen extent -4.64,-2.65 4.65,2.65, body extent -3.8,-2.3 3.8,2.3, height 3.1
DBV_SOT_23_6 [mm]
  rect 1x0.55 smd: 1(-1.35,0.95) 2(-1.35,0) 3(-1.35,-0.95) 4(1.35,-0.95) 5(1.35,0) 6(1.35,0.95)
  silkscreen extent -2,-1.59 0.9,1.74, body extent -1.59,-1.59 1.59,1.59, height 1.45
DRL0006A [mm] "SOTFL, 6-Flat Leads, Body 1.2x1.6x0.6mm, Pitch 0.5mm, TI recommended"
  rect 0.67x0.3 smd mask+0.03: 1(-0.74,0.5) 2(-0.74,0) 3(-0.74,-0.5) 4(0.74,-0.5) 5(0.74,0) 6(0.74,0.5)
  silkscreen extent -0.7,-0.95 0.7,0.9, body extent -0.8,-0.8 0.8,0.8, height 0.61
EXB-D10C103J [mm]
  rect 0.35x0.6 smd mask+0.03: 1(0,1.6) 6(0,-1.6)
  rect 0.6x0.35 smd mask+0.03: 2(-0.8,0.952) 3(-0.8,0.318) 4(-0.8,-0.318) 5(-0.8,-0.952) 7(0.8,-0.952) 8(0.8,-0.318) 9(0.8,0.318) 10(0.8,0.952)
  silkscreen extent -0.8,-1.6 0.8,1.6, body extent -0.8,-1.6 0.8,1.6, height 0.51
FID_40X52D [mil]
  round 40 smd paste-40 mask+5.91: 1(-11.81,11.81)